# Altium PCB ioPWM.PcbDoc
Units mm, origin at the board's own origin, x right, y up, seen from the top; angles counter-clockwise.
Board outline 89.79 x 85.09 mm, 2 copper layers (Top Layer, Bottom Layer); 107 components, 76 nets, 273 pads, 30 vias.
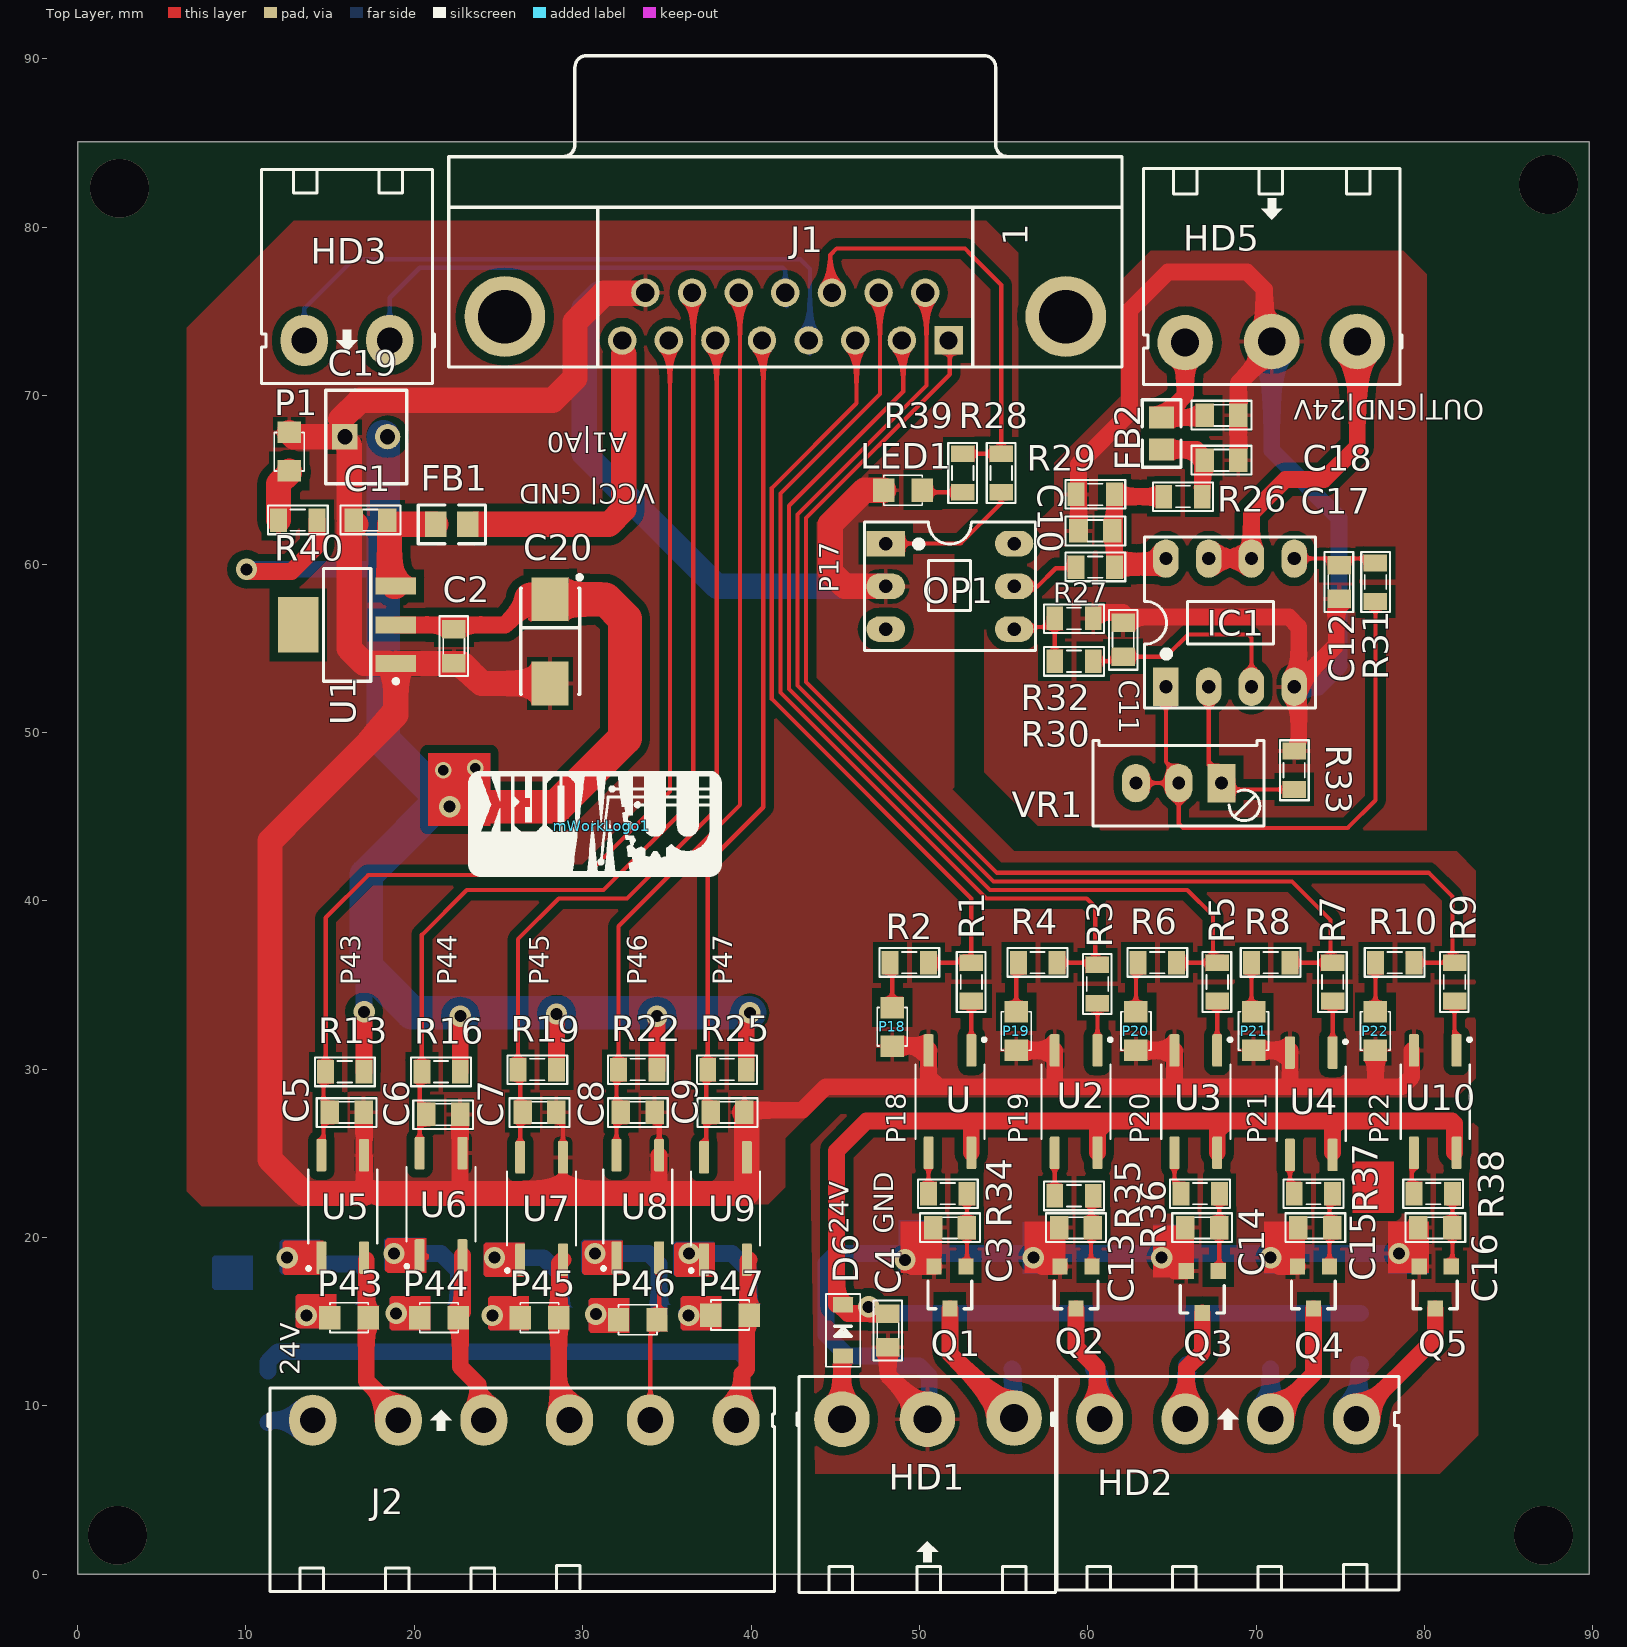
[diagram p0: Top Layer view]
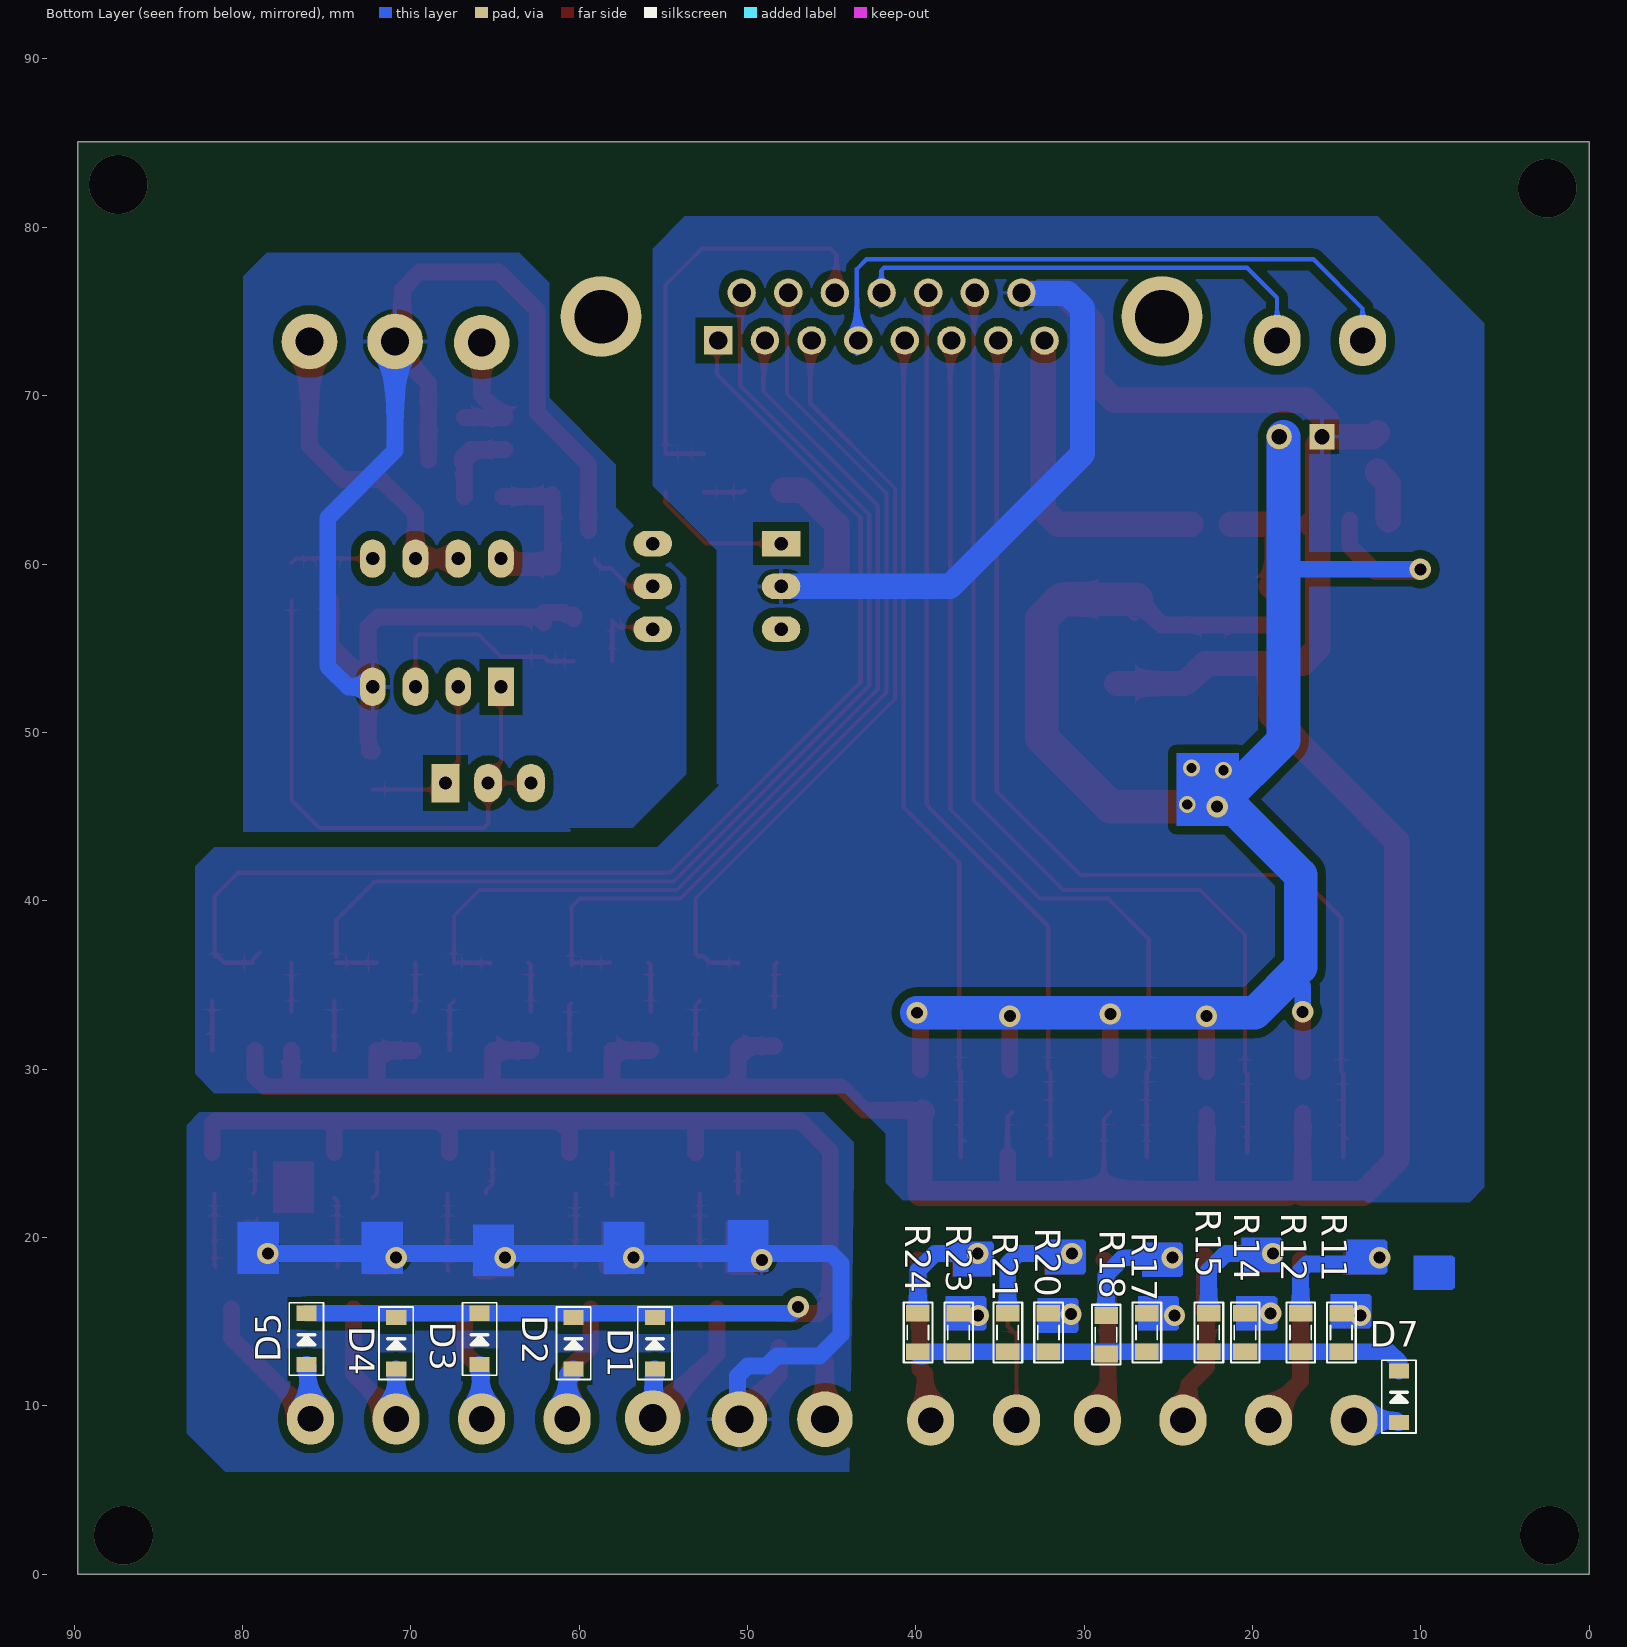
[diagram p1: Bottom Layer view, seen from below]

## Layer stack, top to bottom
Top Solder: solder mask 0.0102, Solder Resist, Dk 3.5
Top Layer: signal copper 0.0356
Dielectric 1: dielectric 0.32, FR-4, Dk 4.8
Bottom Layer: signal copper 0.0356
Bottom Solder: solder mask 0.0102, Solder Resist, Dk 3.5

## Board outline
0,0 89.789,0 89.789,85.09 0,85.09

## Design rules (kind name [scope] priority, off if disabled: settings)
Clearance PolygonCC [InNamedPolygon('GNDOUT_L01_P002') OR  InNamedPolygon('PGND_L01_P001')OR InNamedPolygon('GND_L01_P000') OR InNamedPolygon('GNDOUT_L02_P005') OR InNamedPolygon('PGND_L02_P004') OR InNamedPolygon('GND_L02_P003')] p1: gap=0.5 ignorepadtopadclearanceinfootprint=FALSE
Clearance [All] p2: gap=0.254 ignorepadtopadclearanceinfootprint=FALSE except(0: Arc-Hole Track-Hole SMDPad-Hole THPad-Hole Via-Hole Fill-Hole Poly-Hole Region-Hole Text-Hole)
PolygonConnect [All] p1: connectstyle=Relief reliefconductorwidth=0.254 reliefentries=4 polygonreliefangle="90 Angle" airgapwidth=0.254
RoomDefinition AnalogIN [InComponentClass('AnalogIN')] p1: confinementstyle=ConfineIn formatcopy=TRUE lockcomponents=FALSE outline 90.043,-12.446 103.378,-12.446 103.378,11.049 90.043,11.049
RoomDefinition PWMOUT [InComponentClass('PWMOUT')] p2: confinementstyle=ConfineIn formatcopy=TRUE lockcomponents=FALSE outline 143.637,54.229 233.553,54.229 233.553,67.437 143.637,67.437
RoomDefinition OUT [InComponentClass('OUT')] p3: confinementstyle=ConfineIn formatcopy=TRUE lockcomponents=FALSE outline 143.637,40.64 258.826,40.64 258.826,52.959 143.637,52.959
RoomDefinition IN [InComponentClass('IN')] p4: confinementstyle=ConfineIn formatcopy=TRUE lockcomponents=FALSE outline 143.637,27.051 319.532,27.051 319.532,39.37 143.637,39.37
RoomDefinition analogPWM [InComponentClass('analogPWM')] p5: confinementstyle=ConfineIn formatcopy=TRUE lockcomponents=FALSE outline 143.637,-17.399 218.44,-17.399 218.44,25.781 143.637,25.781
RoutingVias [All] p1: holewidth=0.711 width=1.27 viastyle="Through Hole" minholewidth=0.711 minwidth=1.27 maxholewidth=0.711 maxwidth=1.27
SolderMaskExpansion [All] p1: expansion=0.102 istentingtop=FALSE
Width [All] p1: maxlimit=2 minlimit=0.254 preferedwidth=1
30 further rules are at their usual default settings.

## Classes and differential pairs
component class AnalogIN: C19 HD3
component class PWMOUT: C10 C11 C12 C17 C18 FB2 HD5 IC1 LED1 OP1 R26 R27 R28 R29 R30 R31 R32 R33 R39 VR1
component class OUT: C3 C4 C13 C14 C15 C16 D1 D2 D3 D4 D5 D6 HD1 HD2 P18 P19 P20 P21 P22 Q1 Q2 Q3 Q4 Q5 R1 R2 R3 R4 R5 R6 R7 R8 R9 R10 R34 R35 R36 R37 R38 U U2 U3 U4 U10
component class IN: C5 C6 C7 C8 C9 D7 J2 P43 P44 P45 P46 P47 R11 R12 R13 R14 R15 R16 R17 R18 R19 R20 R21 R22 R23 R24 R25 U5 U6 U7 U8 U9
component class analogPWM: C1 C2 C20 FB1 J1 mWorkLogo1 P1 R40 U1

## Components (designator, comment, footprint, x,y, rotation, side; value= is the part's Value field where it differs from the comment)
C1 "100nF" CN-SMD-0805 17.399,62.611 r180 top value=33pF
C2 "100nF" CN-SMD-0805 22.352,55.118 r270 top value=33pF
C3 "100nF" CN-SMD-0805 51.816,20.574 r180 top value=33pF
C4 "100nF" CN-SMD-0805 48.133,14.478 r270 top value=33pF
C5 "100nF" CN-SMD-0805 15.986,27.432 r0 top value=33pF
C6 "100nF" CN-SMD-0805 21.717,27.305 r0 top value=33pF
C7 "100nF" CN-SMD-0805 27.432,27.432 r0 top value=33pF
C8 "100nF" CN-SMD-0805 33.274,27.432 r0 top value=33pF
C9 "100nF" CN-SMD-0805 38.608,27.432 r0 top value=33pF
C10 "100nF" CN-SMD-0805 60.452,61.976 r0 top value=33pF
C11 "100nF" CN-SMD-0805 62.103,55.499 r90 top value=33pF
C12 "100nF" CN-SMD-0805 74.93,58.928 r270 top value=33pF
C13 "100nF" CN-SMD-0805 59.309,20.574 r180 top value=33pF
C14 "100nF" CN-SMD-0805 66.802,20.574 r180 top value=33pF
C15 "100nF" CN-SMD-0805 73.517,20.574 r180 top value=33pF
C16 "100nF" CN-SMD-0805 80.645,20.574 r180 top value=33pF
C17 "CN" CN-SMD-0805 67.945,66.167 r180 top value=33pF
C18 "CN" CN-SMD-0805 67.945,68.834 r180 top value=33pF
C19 "Header2" HDR2 15.875,67.564 r0 top
C20 "Cap" Cap_C 28.067,55.412 r270 top
D1 "Diode" DIO-SMD-123 55.499,13.716 r270 bottom value=1N5007
D2 "Diode" DIO-SMD-123 60.325,13.716 r270 bottom value=1N5007
D3 "Diode" DIO-SMD-123 65.913,13.97 r270 bottom value=1N5007
D4 "Diode" DIO-SMD-123 70.866,13.716 r270 bottom value=1N5007
D5 "Diode" DIO-SMD-123 76.2,13.97 r270 bottom value=1N5007
D6 "Diode" DIO-SMD-123 45.466,14.478 r270 top value=1N5007
D7 "Diode" DIO-SMD-123 11.303,10.541 r270 bottom value=1N5007
FB1 "FB" Capacitor_805 22.225,62.357 r0 top
FB2 "FB" Capacitor_805 64.389,67.752 r90 top
HD1 "Header 3" HED3T 45.399,9.204 r0 top locked
HD2 "Header 4" HED4T 60.706,9.213 r0 top locked
HD3 "Header 2" HED2T 18.542,73.279 r180 top locked
HD5 "Header 3" HED3T 76.013,73.219 r180 top locked
IC1 "LM358" DIP8/W0.3 64.643,52.705 r0 top
J1 "A32121-ND" DB15 42.037,84.201 r0 top
J2 "Domino6" KF6-5.08T 13.968,9.144 r0 top locked
LED1 "LED" LED-0805-Green 50.165,64.389 r180 top value="LED 3 - 5 ly 2 Colour"
mWorkLogo1 "LogoMwork" LogoMwork15*6 31.115,44.45 r180 top
OP1 "4N35" DIP6 52.07,58.547 r270 top
P1 "LED" LED-0805-Green 12.573,65.532 r90 top value="LED 3 - 5 ly 2 Colour"
P18 "LED" LED-0805-Green 48.387,33.655 r270 top value="LED 3 - 5 ly 2 Colour"
P19 "LED" LED-0805-Green 55.753,33.401 r270 top value="LED 3 - 5 ly 2 Colour"
P20 "LED" LED-0805-Green 62.865,33.401 r270 top value="LED 3 - 5 ly 2 Colour"
P21 "LED" LED-0805-Green 69.85,33.401 r270 top value="LED 3 - 5 ly 2 Colour"
P22 "LED" LED-0805-Green 77.089,33.401 r270 top value="LED 3 - 5 ly 2 Colour"
P43 "LED" LED-0805-Green 14.986,15.24 r0 top value="LED 3 - 5 ly 2 Colour"
P44 "LED" LED-0805-Green 20.32,15.24 r0 top value="LED 3 - 5 ly 2 Colour"
P45 "LED" LED-0805-Green 26.289,15.24 r0 top value="LED 3 - 5 ly 2 Colour"
P46 "LED" LED-0805-Green 32.131,15.113 r0 top value="LED 3 - 5 ly 2 Colour"
P47 "LED" LED-0805-Green 37.617,15.392 r0 top value="LED 3 - 5 ly 2 Colour"
Q1 "2SC1815" SOT23-321 51.816,17.018 r180 top value=C1815
Q2 "2SC1815" SOT23-321 59.309,17.018 r180 top value=C1815
Q3 "2SC1815" SOT23-321 66.802,16.764 r180 top value=C1815
Q4 "2SC1815" SOT23-321 73.406,17.018 r180 top value=C1815
Q5 "2SC1815" SOT23-321 80.645,17.018 r180 top value=C1815
R1 "330R" RES-SMD-0805 53.086,35.179 r270 top
R2 "3K2" RES-SMD-0805 49.403,36.322 r180 top
R3 "330R" RES-SMD-0805 60.579,35.052 r270 top
R4 "3K2" RES-SMD-0805 57.023,36.322 r180 top
R5 "330R" RES-SMD-0805 67.691,35.179 r270 top
R6 "3K2" RES-SMD-0805 64.135,36.322 r180 top
R7 "330R" RES-SMD-0805 74.549,35.179 r270 top
R8 "3K2" RES-SMD-0805 70.866,36.322 r180 top
R9 "330R" RES-SMD-0805 81.788,35.179 r270 top
R10 "3K2" RES-SMD-0805 78.232,36.322 r180 top
R11 "3K2" RES-SMD-0805 14.732,14.351 r90 bottom
R12 "3K2" RES-SMD-0805 17.145,14.351 r90 bottom
R13 "3K2" RES-SMD-0805 15.875,29.845 r0 top
R14 "3K2" RES-SMD-0805 20.447,14.351 r90 bottom
R15 "3K2" RES-SMD-0805 22.606,14.351 r90 bottom
R16 "3K2" RES-SMD-0805 21.59,29.845 r0 top
R17 "3K2" RES-SMD-0805 26.289,14.351 r90 bottom
R18 "330R" RES-SMD-0805 28.702,14.224 r90 bottom
R19 "3K2" RES-SMD-0805 27.305,29.972 r0 top
R20 "3K2" RES-SMD-0805 32.131,14.351 r90 bottom
R21 "3K2" RES-SMD-0805 34.544,14.351 r90 bottom
R22 "3K2" RES-SMD-0805 33.274,29.972 r0 top
R23 "3K2" RES-SMD-0805 37.465,14.351 r90 bottom
R24 "3K2" RES-SMD-0805 39.878,14.351 r90 bottom
R25 "3K2" RES-SMD-0805 38.57,29.972 r0 top
R26 "100K" RES-SMD-0805 65.659,64.008 r0 top
R27 "10K" RES-SMD-0805 60.452,59.817 r180 top
R28 "10K" RES-SMD-0805 54.864,65.405 r270 top
R29 "100K" RES-SMD-0805 60.452,64.135 r180 top
R30 "10K" RES-SMD-0805 59.182,54.229 r0 top
R31 "10K" RES-SMD-0805 77.089,58.928 r90 top
R32 "10K" RES-SMD-0805 59.182,56.769 r0 top
R33 "6K8" RES-SMD-0805 72.263,47.752 r90 top
R34 "3K2" RES-SMD-0805 51.689,22.606 r0 top
R35 "3K2" RES-SMD-0805 59.182,22.479 r0 top
R36 "3K2" RES-SMD-0805 66.675,22.606 r0 top
R37 "3K2" RES-SMD-0805 73.406,22.606 r0 top
R38 "3K2" RES-SMD-0805 80.518,22.606 r0 top
R39 "3K2" RES-SMD-0805 52.578,65.405 r270 top
R40 "3K2" RES-SMD-0805 13.081,62.611 r180 top
U "EL357N*" SOP4N 51.816,28.067 r270 top
U1 "LM1117-3.3V" SOT223 16.002,56.388 r90 top
U2 "EL357N*" SOP4N 59.309,28.067 r270 top
U3 "EL357N*" SOP4N 66.421,28.067 r270 top
U4 "EL357N*" SOP4N 73.279,27.94 r270 top
U5 "EL357N*" SOP4N 15.748,21.844 r90 top
U6 "EL357N*" SOP4N 21.59,21.971 r90 top
U7 "EL357N*" SOP4N 27.559,21.717 r90 top
U8 "EL357N*" SOP4N 33.274,21.844 r90 top
U9 "EL357N*" SOP4N 38.481,21.717 r90 top
U10 "EL357N*" SOP4N 80.645,28.067 r270 top
VR1 "10K" VR1 67.945,46.99 r180 top value="VR 10K"

## Footprints (in the part's own frame and the unit in brackets; to place one, negate y for a bottom-side part, rotate by r counter-clockwise, add the part's x,y. Pads: shape width x height; smd on the part's side, far side on the other; paste and mask are expansions set on the pad)
Cap_C [mm] "Capacitor, SM Tantalum; Body 6.0 x 3.2 mm (LxW typ)"
  rect 2.6x2.2 smd: 1(-2.5,0) 2(2.5,0)
  silkscreen extent -3.92,-1.75 3.15,1.88, body extent -3,-1.6 3,1.6, height 2.5
Capacitor_805 [mm]
  rect 1.3x1.5 smd: 1(0.95,0) 2(-0.95,0)
  silkscreen extent -2,-1.15 2,1.15, body extent -1,-0.63 1,0.62, height 0.78
CN-SMD-0805 [mm]
  rect 1.1x1.397 smd: 1(-1,0) 2(1,0)
  silkscreen extent -1.78,-0.86 1.78,0.84, body extent -1,-0.62 1,0.63, height 0.8
DB15 [mm] "Connector; D Subminiature AMPLIMITE 2000; 15 Position; Right Angle"
  rect 1.69x1.69 hole 1.09: 1(9.695,-10.92)
  round 1.69 hole 1.09: 2(6.925,-10.92) 3(4.155,-10.92) 4(1.385,-10.92) 5(-1.385,-10.92) 6(-4.155,-10.92) 7(-6.925,-10.92) 8(-9.683,-10.925) 9(8.31,-8.08) 10(5.54,-8.08) 11(2.77,-8.08) 12(0,-8.08) 13(-2.77,-8.08) 14(-5.54,-8.08) 15(-8.31,-8.08)
  round 4.8 hole 3.18: 16(16.66,-9.5) 17(-16.66,-9.5)
  silkscreen extent -20,-12.5 20,6, body extent -19.56,-12.7 20.06,6.1, height 12.56
DIO-SMD-123 [mm]
  rect 0.9x1.2 smd: 1(1.524,0) 2(-1.524,0)
  silkscreen extent -2.16,-1.02 2.16,1.02, body extent -1.76,-0.8 1.94,0.8, height 1.25
DIP6 [mil]
  rect 60x90 hole 31.5: 1(-105,-160)
  oval 60x90 hole 31.5: 2(-5,-160) 3(95,-160) 4(95,140) 5(-5,140) 6(-105,140)
  silkscreen extent -155,-210 145,190, body extent -163,-167 155,147, height 170
DIP8/W0.3 [mil] "8 PIN, W 300mil, Pin to pin 100mil"
  rect 60x90 hole 31: 1(0,0)
  oval 60x90 hole 31: 2(100,0) 3(200,0) 4(300,0) 5(300,300) 6(200,300) 7(100,300) 8(0,300)
  silkscreen extent -50,-50 350,350, body extent -50,-40 350,336, height 201
HDR2 [mm] "Connector; Header; 2 Position"
  rect 1.5x1.5 hole 0.9: 1(0,0)
  round 1.5 hole 0.9: 2(2.54,0)
  silkscreen extent -1.14,-2.79 3.68,2.77, body extent -1.27,-2.92 3.81,2.88, height 11.72
HED2T [mil] "Header 2, 2 pin, hight 300mil, Pin to Pin 200, Colour Green"
  oval 110x120 hole 60: 1(0,0) 2(200,0)
  silkscreen extent -105,-400 300,100, body extent -97,-399 297,73, height 334
HED3T [mil] "Header 3, 3 pin, hight 300mil, Pin to Pin 200, Colour Green"
  round 130 hole 65: 1(0,0) 2(200,0) 3(402.62,2.62)
  silkscreen extent -105,-405 500,100, body extent -95,-404 496,68, height 124
HED4T [mil] "Header 4, 4 pin, hight 300mil, Pin to Pin 200, Colour Green"
  oval 110x120 hole 60: 1(0,0) 2(200,0) 3(400.06,0.06) 4(600.39,0.39)
  silkscreen extent -105,-400 700,100, body extent -87,-406 690,66, height 334
KF6-5.08T [mil]
  oval 110x120 hole 60: 1(0,0) 2(200,0) 3(400.06,0.06) 4(600.39,0.39) 5(789.39,0.39) 6(990,0)
  silkscreen extent -105,-400 1080,75, body extent -95,-402 1077,76, height 158
LED-0805-Green [mil]
  rect 50x55 smd: 1(0,0) 2(90,0)
  silkscreen extent 0,-35 90,35, body extent 5,-25 85,25, height 43
LogoMwork15*6 [mm] "15mm*6mm"
  silkscreen extent -7.14,-3.26 7.9,2.99
RES-SMD-0805 [mil]
  rect 39.37x55 smd: 1(-45,0) 2(45,0)
  silkscreen extent -70,-34 70,33, body extent -39,-25 39,25, height 31
SOP4N [mm]
  rrect25% 1.93x0.59 smd: 1(-3.04,1.27) 2(-3.04,-1.27) 3(3.04,-1.27) 4(3.04,1.27)
  silkscreen extent -3.78,-2.05 2.2,2.13, body extent -3.4,-2.15 3.4,2.15, height 2.1
SOT23-321 [mm]
  rect 0.9x0.95 smd mask+0: 1(0.95,-1.25)
  rect 0.9x0.95 smd: 2(0,1.25) 3(-0.95,-1.25)
  silkscreen extent -1.3,-0.38 1.3,1.25, body extent -1.52,-1.23 1.48,1.27, height 1.06
SOT223 [mm]
  rect 1x2.4 smd: 1(-2.3,-2.9) 2(0,-2.9) 3(2.3,-2.9)
  rect 3.3x2.4 smd: 4(0,2.9)
  silkscreen extent -3.47,-3.03 3.35,1.4, body extent -3.25,-3.56 3.25,3.4, height 1.68
VR1 [mil] "Variable Resistor"
  rect 65x90 hole 30: 1(0,0)
  oval 65x90 hole 30: 2(100,0) 3(200,0)
  silkscreen extent -100,-100 301,100, body extent -88,-130 288,110, height 455

## Part data
C1 C2 C3 C4 C5 C6 C7 C8 C9 C10 C11 C12 C13 C14 C15 C16: library part CN
C19: "Header IDC, 2 x 1 Pin Vertical 2.54mm Pitch (Non-Boxed, Male)", Manufacturer="W¨¹rth Elektronik eiSos GmbH", PartNo=613002143121, ComponentLink1 Description=Manufacturer, ComponentLink1URL=http://www.we-online.com, ComponentLink2 Description=Datasheet, ComponentLink2URL=http://katalog.we-online.de/em/datasheet/6130xx143121.pdf, Created By="Karrer Zheng", Created Date="29 March 2013", NoPins=02
C20: library part Cap_tan, "Polarized Capacitor (Radial)"
D1 D2 D3 D4 D5 D6 D7: "Default Diode", Code - JEDEC=DO-214-AB, ComponentLink1Description="ES1J - STMBL", ComponentLink1URL=https://banlinhkien.vn/goods-8089-es1j-do214-diode-1a-600v-sma-es1j-.html, Published=8-Jun-2000, Publisher="Altium Limited", Revision="July-2002: Re-released for DXP Platform."
HD1 HD5: library part Hed3, "Header 3 (Green)"
HD2: library part Hed4, "Header 4 (Green)"
HD3: library part Hed2, "Header 2 (Green)"
IC1: "Low-Power Dual Operational Amplifier"
J1: library part DB15, "Receptacle Assembly, 15 Position, Right Angle", PackageDocument=O, DatasheetDocument=1-Sep-99, Gender=Receptacle, LatestRevisionDate=17-Jul-2002, LatestRevisionNote="Re-released for DXP Platform.", Orientation="Right Angle", PackageReference=788757, Positions=15, Published=15-Jun-2001, Publisher="Altium Limited"
J2: Manufacturer="W¨¹rth Elektronik eiSos GmbH", PartNo=691133710006, ComponentLink1 Description=Manufacturer, ComponentLink1 URL=http://www.we-online.com, ComponentLink2 Description=Datasheet, ComponentLink2 URL=http://katalog.we-online.de/em/datasheet/6911337100xx.pdf, Created By="Baojun Chen", Created Date=4-Aug-15, NoPins=6
LED1 P1 P18 P19 P20 P21 P22 P43 P44 P45 P46 P47: library part "LED SMD"
OP1: "Opto"
Q1 Q2 Q3 Q4 Q5: "NPN 600mW, ECB"
R1 R2 R3 R4 R5 R6 R7 R8 R9 R10 R11 R12 R13 R14 R15 R16 R17 R18 R19 R20 R21 R22 R23 R24 R25 R26 R27 R28 R29 R30 R31 R32 R33 R34 R35 R36 R37 R38 R39 R40: library part R
U U2 U3 U4 U5 U6 U7 U8 U9 U10: library part EL357N(A)(TA)-G, "Optoisolator Transistor Output 3750Vrms 1 Channel 4-SOP _2.54mm_", Package="SOP-4 Everlight", Availability=Unavailable, MF="Everlight Electronics", MP=EL357N_A__TA_-G, Price=None, SnapEDA_Link=https://www.snapeda.com/parts/EL357N%28A%29%28TA%29-G/Everlight%20Electronics%20Co%20Ltd/view-part/579256/?ref=snap
U1: library part LM1117, "800mA Low-Dropout Linear Regulator", Creator="Nguyen Ba Bien", Website=http://group3i.net
VR1: library part VR1, "Var Resistor"

## Via types
v1: diameter 1.27, hole 0.711, Top Layer to Bottom Layer, 23 vias
v2: diameter 3.5, hole 3.5, Top Layer to Bottom Layer, 4 vias
v3: diameter 1, hole 0.6, Top Layer to Bottom Layer, 3 vias

## Nets (pads, with @x,y where several pads share a name; then routed paths per layer and width w, separated by ;. In a path a pad name is that pad's centre, name@x,y a point inside that pad or via, vN(x,y) a via of type N, cw(c..) or ccw(c..) an arc to the next point about the centre after c; other vN are vias at no path point)
24V: C17.2 FB2.2 R26.2 | length 5.1
  Top Layer w1: FB2.2 66.458,66.802 66.945,66.315 C17.2 66.945,66.018 66.802,65.875 R26.2
24VCOM: D7.2 R11.1 R12.1 R14.1 R15.1 R17.1 R18.1 R20.1 R21.1 R23.1 R24.1 | length 29.4
  Bottom Layer w1: D7.2 11.303,12.622 11.889,13.208 R11.1 R12.1 R14.1 R15.1 39.298,13.208 39.553,12.954 R24.1@39.751,12.954
+5: FB1.1 J1.8 | length 18.4
  Top Layer w1.5: FB1.1@23.628,62.357 31.554,62.357 32.433,63.236 J1.8@32.433,72.466
+12: C10.2 IC1.8 R26.1 R27.1 R29.1 | length 13.7
  Top Layer w0.254: R27.1@61.595,60.325 IC1.8
  Top Layer w1: R29.1 R29.1@61.595,64.008 ; R26.1 R29.1@61.595,64.008 ; IC1.8 64.643,60.086 64.374,59.817 R27.1 61.595,60.325 R29.1@61.595,64.008
DAC1: HD5.1 IC1.6 IC1.7 | length 19.4
  Top Layer w1: IC1.7 IC1.6 69.723,62.992 71.755,65.024 74.041,65.024 76.013,66.996 HD5.1
GND: C1.2 C2.2 C5.2 C6.2 C7.2 C8.2 C9.2 C19.1 C20.2 J1.15 LED1.2 OP1.2 P1.2 P18.2 P19.2 P20.2 P21.2 P22.2 U1.1 U2.2 U3.2 U4.2 U5.3 U6.3 U7.3 U8.3 U9.3 U10.2 U.2 | length 257.5
  Top Layer w0.254: 13.208,45.339 13.208,45.593 18.902,51.287 ; 14.754,67.669 14.964,67.669 C19.1@15.367,68.072 ; C5.2 17.018,27.4 17.145,27.273 17.145,23.368 17.907,22.606 ; C7.2 28.829,27.035 U7.3 28.829,22.606 ; C8.2 34.544,27.162 U8.3
  Top Layer w1: 17.018,22.606 U5.3 C5.2@17.018,27.4 ; C6.2 22.717,22.749 22.86,22.606 ; U8.3 34.544,22.733 34.671,22.606 ; C9.2 39.608,27.509 39.658,27.559 43.053,27.559 44.45,28.956 51.135,28.956 ; P18.2 48.395,31.377 50.341,31.377 50.546,31.172 U.2 50.549,31.104 50.549,29.542 51.135,28.956 ; P19.2 58.031,31.115 58.042,31.104 58.042,28.964 ; P20.2 65.143,31.115 65.154,31.104 65.154,28.964 ; P21.2 72.001,31.115 72.012,31.104 72.012,29.091 ; P22.2 77.092,31.112 77.092,29.155 ; U10.2@79.248,31.107 79.248,29.542 78.662,28.956 51.135,28.956
  Top Layer w1.5: P1.2 12.827,67.564 C19.1@15.621,67.564 ; 15.621,68.58 16.764,69.723 28.218,69.723 29.539,71.045 29.539,74.37 31.254,76.085 33.691,76.085 J1.15 ; C19.1 C19.1@15.621,67.564 ; C1.2@16.129,62.357 16.129,54.981 17.008,54.102 U1.1@18.452,54.102 ; C1.2@16.526,62.357 16.129,62.754 16.129,67.056 C19.1@15.621,67.564 ; 17.018,22.606 13.452,22.606 11.43,24.628 11.43,43.561 13.208,45.339 18.902,51.033 18.902,51.287 U1.1 22.822,54.088 23.998,52.912 C20.2 ; 17.907,22.606 22.86,22.606 28.829,22.606 34.671,22.606 39.751,22.606 U9.3 39.751,27.289 C9.2 ; LED1.2 46.736,64.389 44.704,62.357 44.704,59.553 45.583,58.674 OP1.2
  Bottom Layer w1.5: J1.15@33.657,76.073 33.645,76.085 33.556,76.085 33.545,76.073 30.978,76.073 30.099,75.194 30.099,66.548 37.973,58.674 OP1.2
GNDOUT: C3.2 C4.2 C13.2 C14.2 C15.2 C16.2 HD1.2 Q1.1 Q2.1 Q3.1 Q4.1 Q5.1 | length 73.9
  Top Layer w0.254: Q1.1@50.816,18.318 Q1.1 ; C13.2@58.309,20.32 58.309,18.318 Q2.1 ; C14.2@65.802,20.447 65.802,18.064 Q3.1 ; Q4.1 72.517,18.329 C15.2@72.517,19.939 ; C16.2 79.645,18.318 Q5.1
  Top Layer w1: C4.2 48.133,11.811 50.479,9.465 HD1.2 ; v1(49.149,18.669) 49.55,18.268 Q1.1 ; Q1.1@50.816,18.318 C3.2 ; v1(56.769,18.796) 57.297,18.268 Q2.1 ; v1(64.389,18.796) 65.171,18.014 Q3.1 ; v1(70.866,18.796) 71.394,18.268 Q4.1 ; v1(78.486,19.05) 78.538,19.102 78.538,19.467 79.446,20.375 79.595,20.375 79.645,20.425 C16.2
  Bottom Layer w1: v1(49.149,18.669) v1@49.149,18.796 ; HD1.2 50.582,9.307 50.582,11.77 49.997,12.355 48.859,12.355 48.26,12.954 45.72,12.954 44.45,14.224 44.45,18.464 45.036,19.05 v1@56.642,19.05 ; v1@56.642,18.796 v1(56.769,18.796) ; v1@56.769,19.05 v1(78.486,19.05)
IN1: J2.2 P43.2 U5.2 | length 10.3
  Top Layer w1: U5.2@17.145,18.677 17.145,14.605 17.145,11.465 19.048,9.561 J2.2
IN2: J2.3 P44.2 U6.2 | length 10.5
  Top Layer w1: U6.2 22.86,15.557 22.606,15.303 P44.2 22.733,15.113 22.733,12.319 23.787,11.265 23.787,9.489 J2.3
IN3: J2.4 P45.2 U7.2 | length 9.9
  Top Layer w1: U7.2 28.624,18.472 28.624,16.852 28.575,16.803 P45.2 28.575,14.605 28.575,10.41 29.218,9.766 J2.4
IN4: J2.5 P46.2 U8.2 | length 9.9
  Top Layer w0.254: J2.5 34.019,14.207 34.417,14.605 34.544,14.732 U8.2
IN5: J2.6 P47.2 U9.2 | length 9.8
  Top Layer w1: J2.6 39.458,9.487 39.458,11.899 39.751,12.192 39.751,14.605 39.814,14.668 39.814,18.614 U9.2@39.878,18.677
NetC1_1: C1.1 FB1.2 U1.3 | length 6.6
  Top Layer w1.5: U1.3 18.776,58.688 18.526,58.938 18.526,62.357 FB1.2
NetC3_1: C3.1 Q1.3 R34.2 | length 4.4
  Top Layer w0.254: Q1.3 52.832,18.334 R34.2
NetC11_1: C11.1 IC1.3 R30.2 | length 13
  Top Layer w0.254: R30.2 61.833,54.229 C11.1 64.659,54.499 65.969,55.809 69.541,55.809 69.723,55.626 IC1.3
NetC12_1: C12.1 IC1.5 R31.2 | length 4.9
  Top Layer w0.254: IC1.5 76.835,60.325 R31.2
NetC13_1: C13.1 Q2.3 R35.2 | length 4.4
  Top Layer w0.254: R35.2@60.198,22.606 60.198,20.447 60.198,18.329 Q2.3
NetC14_1: C14.1 Q3.3 R36.2 | length 4.6
  Top Layer w0.254: Q3.3 67.818,18.08 R36.2
NetC15_1: C15.1 Q4.3 R37.2 | length 4.2
  Top Layer w0.254: Q4.3 74.356,22.159 R37.2@74.549,22.352
NetC16_1: C16.1 Q5.3 R38.2 | length 4.4
  Top Layer w0.254: Q5.3 81.661,18.334 R38.2
NetC18_2: C18.2 FB2.1 HD5.3 | length 7.9
  Top Layer w0.254: C18.2@66.813,68.702 C18.2
  Top Layer w1: FB2.1 FB2.1@64.489,68.702 ; HD5.3 65.405,72.771 65.786,72.39 65.786,69.999 FB2.1@64.489,68.702 ; C18.2@66.813,68.702 FB2.1@64.489,68.702
NetD6_1: D6.1 HD1.1 | length 3.9
  Top Layer w0.254: D6.1 D6.1@45.78,12.64
  Top Layer w1: HD1.1 D6.1@45.399,12.64
NetD7_1: D7.1 J2.1 | length 2.7
  Bottom Layer w1: D7.1 11.353,9.017 11.48,9.144 J2.1
NetIC1_1: IC1.1 R31.1 VR1.2 VR1.3 | length 35.3
  Top Layer w0.254: VR1.3 VR1.2 ; IC1.1 64.643,48.252 65.405,47.49 VR1.2 ; R31.1 77.089,45.974 75.438,44.323 65.659,44.323 65.405,44.577 VR1.2
NetIC1_2: IC1.2 R33.1 VR1.1 | length 10.5
  Top Layer w0.254: IC1.2 67.183,48.069 67.945,47.307 VR1.1 68.326,46.609 R33.1
NetLED1_1: LED1.1 R39.2 | length 2.5
  Top Layer w0.254: LED1.1 50.292,64.262 R39.2
NetOP1_1: OP1.1 R28.2 | length 8.5
  Top Layer w0.254: OP1.1 52.451,61.214 54.864,63.627 R28.2
NetOP1_4: OP1.4 R30.1 R32.1 | length 5
  Top Layer w0.254: OP1.4 55.753,56.261 57.666,56.261 58.039,56.634 R30.1
NetOP1_5: OP1.5 R27.2 | length 4.2
  Top Layer w0.254: OP1.5 57.023,58.674 58.102,59.753 58.682,59.753 59.055,60.127 R27.2@59.055,60.325
NetP1_1: P1.1 R40.2 | length 3.2
  Top Layer w1.5: R40.2 11.938,64.77 12.573,65.405 P1.1
NetP18_1: P18.1 R2.2 | length 2.7
  Top Layer w0.254: R2.2 48.387,36.195 P18.1
NetP19_1: P19.1 R4.2 | length 3
  Top Layer w0.254: P19.1 55.753,36.195 R4.2
NetP20_1: P20.1 R6.2 | length 3
  Top Layer w0.254: P20.1 62.865,36.195 R6.2
NetP21_1: P21.1 R8.2 | length 3
  Top Layer w0.254: R8.2 69.723,33.528 P21.1
NetP22_1: P22.1 R10.2 | length 2.9
  Top Layer w0.254: P22.1 R10.2
NetP43_1: P43.1 R11.2 | length 3.1
  Top Layer w0.254: v1(13.589,15.367) 14.351,15.367 14.605,15.621 P43.1
  Bottom Layer w0.254: v1@13.298,15.367 14.605,15.367 R11.2
NetP44_1: P44.1 R14.2 | length 2.7
  Top Layer w0.254: v1@18.923,15.367 19.05,15.24 P44.1
  Bottom Layer w0.254: v1@19.177,15.494 R14.2
  other v1: 18.923,15.494
NetP45_1: P45.1 R17.2 | length 3.6
  Top Layer w0.254: v1@24.638,15.24 25.781,15.24 P45.1@26.289,15.748
  Bottom Layer w0.254: v1@24.638,15.24 26.035,15.24 R17.2
  other v1: 24.638,15.367
NetP46_1: P46.1 R20.2 | length 3
  Top Layer w1: v1@30.734,15.24 30.786,15.188 32.056,15.188 P46.1
  Bottom Layer w1: v1(30.786,15.442) 30.786,15.292 31.73,15.292 31.933,15.494 R20.2
NetP47_1: P47.1 R23.2 | length 2.7
  Top Layer w1: v1@36.322,15.24 36.374,15.292 37.517,15.292 P47.1
  Bottom Layer w1: v1@36.17,15.494 R23.2
  other v1: 36.297,15.367
NetR1_2: R1.2 U.1 | length 3
  Top Layer w0.254: R1.2@52.832,34.036 53.086,33.782 U.1
NetR3_2: R3.2 U2.1 | length 2.9
  Top Layer w0.254: R3.2@60.452,33.909 60.579,33.782 U2.1
NetR5_2: R5.2 U3.1 | length 3
  Top Layer w0.254: R5.2@67.437,34.036 67.691,33.782 U3.1
NetR7_2: R7.2 U4.1 | length 2.9
  Top Layer w0.254: U4.1@74.549,31.107 R7.2
NetR9_2: R9.2 U10.1 | length 2.9
  Top Layer w0.254: U10.1@81.788,31.107 R9.2
NetR12_2: R12.2 U5.1 | length 9.7
  Top Layer w0.254: v1(12.446,18.796) 14.47,18.796 U5.1
  Bottom Layer w0.254: v1(12.446,18.796) 13.335,18.796 ; R12.2@17.145,15.367 R12.2
  Bottom Layer w1: 13.335,18.796 13.716,18.415 16.764,18.415 17.145,18.034 R12.2
NetR15_2: R15.2 U6.1 | length 9.3
  Top Layer w0.254: v1@18.796,18.923 20.742,18.923 20.742,18.796 20.455,18.796 U6.1
  Bottom Layer w1: v1(18.796,19.05) 21.59,19.05 22.606,18.034 R15.2
NetR18_2: R18.2 U7.1 | length 8.5
  Top Layer w0.254: v1(24.765,18.796) 25.9,18.796 26.154,18.542 U7.1
  Bottom Layer w1: v1(24.765,18.796) 27.686,18.796 28.702,17.78 R18.2
NetR21_2: R21.2 U8.1 | length 8.3
  Top Layer w0.254: v1@30.734,18.923 31.885,18.923 U8.1
  Bottom Layer w1: v1(30.734,19.05) 33.909,19.05 34.544,18.415 R21.2
NetR24_2: R24.2 U9.1 | length 8.4
  Top Layer w0.254: v1@36.195,18.796 37.633,18.796 ; U9.1 37.213,18.675 37.633,18.675
  Bottom Layer w1: v1(36.322,19.05) 38.862,19.05 39.878,18.034 R24.2
NetR34_1: R34.1 U.3 | length 2.4
  Top Layer w0.254: R34.1 U.3
NetR35_1: R35.1 U2.3 | length 2.5
  Top Layer w0.254: R35.1 U2.3
NetR36_1: R36.1 U3.3 | length 2.6
  Top Layer w0.254: U3.3 65.151,23.185 65.532,22.804 R36.1
NetR37_1: R37.1 U4.3 | length 2.8
  Top Layer w0.254: U4.3@72.009,25.027 72.009,22.606 R37.1@72.263,22.352
NetR38_1: R38.1 U10.3 | length 2.5
  Top Layer w0.254: U10.3@79.248,25.027 79.248,22.733 R38.1
OUT1: D1.1 HD1.3 Q1.2 | length 11.1
  Top Layer w1: Q1.2 51.816,13.081 HD1.3
  Bottom Layer w1: D1.1 55.513,12.192 55.562,12.142 55.562,9.335 HD1.3
OUT2: D2.1 HD2.1 Q2.2 | length 10.3
  Top Layer w1: Q2.2 59.309,13.495 60.567,12.237 60.567,9.352 HD2.1
  Bottom Layer w1: D2.1 60.375,12.192 60.706,11.861 HD2.1
OUT3: D3.1 HD2.2 Q3.2 | length 10
  Top Layer w1: HD2.2 65.861,9.288 65.861,12.237 66.802,13.178 Q3.2
  Bottom Layer w1: HD2.2 65.849,9.277 65.849,12.396 65.899,12.446 D3.1
OUT4: D4.1 HD2.3 Q4.2 | length 10.6
  Top Layer w1: HD2.3 70.868,9.342 73.406,11.88 Q4.2
  Bottom Layer w1: HD2.3@70.867,9.215 D4.1
OUT5: D5.1 HD2.4 Q5.2 | length 11.8
  Top Layer w1: HD2.4 75.956,9.35 80.645,14.039 Q5.2
  Bottom Layer w1: HD2.4 76.1,9.367 76.1,12.396 76.15,12.446 D5.1
P17/PWM1: J1.11 R28.1 R39.1 | length 25.9
  Top Layer w0.254: J1.11 44.831,76.145 44.577,76.399 44.704,76.526 44.704,78.359 45.085,78.74 52.705,78.74 53.086,78.359 54.864,76.581 R28.1 R39.1
P18/PWM2: J1.3 R1.1 R2.1 | length 45.4
  Top Layer w0.254: J1.3@46.271,72.471 46.271,69.556 41.239,64.524 41.239,51.979 53.086,40.132 53.086,36.852 52.937,36.703 52.634,36.703 52.252,36.322 R2.1
P19/PWM3: J1.10 R3.1 R4.1 | length 55
  Top Layer w0.254: J1.10@47.656,75.311 47.656,70.104 41.747,64.195 41.747,52.364 53.979,40.132 59.944,40.132 60.452,39.624 60.452,36.322 R3.1@60.452,36.195 ; R4.1 R3.1@60.325,36.322
P20/PWM4: J1.2 R5.1 R6.1 | length 58.4
  Top Layer w0.254: J1.2@49.041,72.471 49.041,70.246 42.255,63.46 42.255,52.574 54.189,40.64 65.913,40.64 67.437,39.116 67.437,36.322 R6.1
P21/PWM5: J1.9 R7.1 R8.1 | length 67.7
  Top Layer w0.254: J1.9@50.426,75.311 50.426,70.612 42.763,62.949 42.763,52.785 54.4,41.148 72.136,41.148 74.422,38.862 R7.1@74.422,36.703 ; R8.1 R7.1@74.422,36.322
P22/PWM6: J1.1 R9.1 R10.1 | length 73.4
  Top Layer w0.254: J1.1@51.811,72.471 51.811,71.279 43.271,62.739 43.271,52.995 54.61,41.656 73.5,41.656 80.264,41.656 81.661,40.259 81.661,36.703 81.463,36.703 81.081,36.322 R10.1 79.375,36.52 R10.1@79.002,36.893
P41/A0: HD3.2 J1.4 | length 38.5
  Bottom Layer w0.254: HD3.2 13.462,75.184 16.383,78.105 42.926,78.105 43.501,77.53 J1.4@43.501,72.471
P42/A1: HD3.1 J1.12 | length 29
  Bottom Layer w0.254: HD3.1 18.542,75.819 20.32,77.597 41.888,77.597 42.037,77.448 42.037,75.39 J1.12@42.116,75.311
P43/A2: C9.1 J1.5 R25.1 U9.4 | length 50
  Top Layer w0.254: U9.4@37.338,24.757 37.338,29.883 R25.1 37.427,42.253 40.731,45.557 40.731,73.202 J1.5
P44/A3: C8.1 J1.13 R22.1 U8.4 | length 54.3
  Top Layer w0.254: U8.4 32.004,29.845 R22.1 32.131,38.481 39.346,45.696 39.346,76.042 J1.13
P45/A4: C7.1 J1.6 R19.1 U7.4 | length 55
  Top Layer w0.254: U7.4 26.289,29.845 R19.1 26.162,37.719 28.575,40.132 32.639,40.132 37.961,45.454 J1.6@37.961,72.471
P46/A5: C6.1 J1.14 R16.1 U6.4 | length 61.8
  Top Layer w0.254: U6.4 20.32,29.718 R16.1 20.447,37.973 23.114,40.64 31.242,40.64 36.576,45.974 J1.14@36.576,75.311
P47/A6: C5.1 J1.7 R13.1 U5.4 | length 63.8
  Top Layer w0.254: U5.4@14.605,24.757 14.605,29.718 R13.1 14.732,38.989 17.272,41.529 30.226,41.529 35.191,46.494 J1.7@35.191,72.471
PGND: C10.1 C11.2 C12.2 C17.1 C18.1 HD5.2 IC1.4 R29.2 R32.2 R33.2 | length 86
  Top Layer w1: C10.1 59.452,65.929 62.484,68.961 62.484,75.057 64.77,77.343 69.469,77.343 70.492,76.32 70.492,74.282 71.468,73.306 71.501,73.306 68.945,70.75 C18.1 C17.1 ; R32.2 60.325,56.967 60.749,56.967 60.911,57.129 62.103,57.129 C11.2 ; C11.2@62.463,56.859 71.947,56.859 72.533,56.273 IC1.4@72.533,53.498 ; R33.2 72.461,48.895 72.461,49.409 72.533,49.481 72.533,51.912 72.263,52.182 72.263,52.944 72.505,53.186 72.744,53.186 74.761,55.203 74.761,57.878 74.811,57.928 C12.2
  Bottom Layer w1: HD5.2 70.993,73.158 70.933,73.098 70.933,66.735 74.93,62.738 74.93,53.926 73.709,52.705 IC1.4
VCC: C2.1 C19.2 C20.1 R13.2 R16.2 R19.2 R22.2 R25.2 R40.1 U1.2 | length 128.8
  Top Layer w0.254: 26.894,56.739 27.094,56.739 28.067,57.712 C20.1
  Top Layer w1: v1(10.033,59.69) 10.16,59.563 12.707,59.563 14.224,61.08 R40.1 ; R13.2 v1(17.018,33.401) ; U1.2 25.4,56.388 26.924,57.912 ; R16.2 v1(22.733,33.147) ; R19.2 v1(28.448,33.274) ; R22.2 v1(34.417,33.147) ; R25.2 39.713,33.056 39.931,33.275 v1(39.931,33.348)
  Top Layer w2: v1(22.098,45.593) 28.448,45.593 32.512,49.657 32.512,56.74 31.34,57.912 C20.1 26.924,57.912
  Bottom Layer w1: v1(10.033,59.69) 17.78,59.69 18.161,60.071 ; v1(17.018,33.401) 17.018,34.925 ; v1(28.448,33.274) v1@28.522,33.348 ; v1@34.29,33.274 v1(34.417,33.147)
  Bottom Layer w2: C19.2@18.161,67.564 18.161,60.071 18.161,49.53 v1(22.098,45.593) ; 22.098,46.482 17.145,41.529 17.145,36.068 19.865,33.348 28.522,33.348 v1@34.29,33.348 ; v1@34.417,33.348 v1(39.931,33.348)
  other v3: 23.876,45.72 21.717,47.752 23.622,47.879
VCCOUT: C4.1 D1.2 D2.2 D3.2 D4.2 D5.2 D6.2 U2.4 U3.4 U4.4 U10.4 U.4 | length 89.5
  Top Layer w1: v1(46.99,15.875) v1@47.117,15.875 ; C4.1 46.99,15.478 45.759,15.478 45.235,16.002 45.085,16.002 45.085,25.146 46.863,26.924 53.213,26.924 ; U.4 53.086,26.797 53.213,26.924 ; U2.4 60.579,26.289 61.214,26.924 ; U3.4 67.691,26.289 68.326,26.924 ; U4.4@74.549,25.027 74.549,26.49 74.983,26.924 ; U10.4@81.788,25.027 81.788,26.775 81.639,26.924 74.983,26.924 ; 53.213,26.924 61.214,26.924 ; 61.214,26.924 68.326,26.924 ; 68.326,26.924 74.549,26.924 74.983,26.924
  Bottom Layer w1: v1(46.99,15.875) 47.371,15.494 D3.2 D5.2
pads on no net: J1.16 J1.17 OP1.3 OP1.6 U1.4
copper on no net:
  other v2: 2.365,2.31 87.074,2.31 2.492,82.32 87.376,82.55

## Polygon pours and split planes (outlines as drawn)
GNDOUT on Bottom Layer "GNDOUT_L02_P005" (solid, remove dead copper, pour order 5): 43.942,6.096 81.026,6.096 83.312,8.382 83.312,26.67 82.55,27.432 45.466,27.432 43.688,25.654 43.688,23.876
PGND on Bottom Layer "PGND_L02_P004" (solid, remove dead copper, pour order 4): 60.381,44.211 60.508,44.084 79.939,44.084 79.939,77.104 78.542,78.501 63.556,78.501 61.778,76.723 61.778,69.865 57.813,65.9 57.813,63.36 53.65,59.197 53.65,47.513 56.825,44.338 60.635,44.338
GND on Bottom Layer "GND_L02_P003" (solid, remove dead copper, pour order 3): 13.208,22.098 13.335,22.225 40.767,22.225 41.783,23.241 41.783,26.162 44.196,28.575 81.661,28.575 82.804,29.718 82.804,42.037 81.661,43.18 55.372,43.18 51.689,46.863 51.816,46.99 51.816,60.833 55.626,64.643 55.626,78.74 53.721,80.645 12.573,80.645 6.223,74.295 6.223,22.987 7.112,22.098
GNDOUT on Top Layer "GNDOUT_L01_P002" (solid, remove dead copper, pour order 2): 43.815,5.969 80.899,5.969 83.185,8.255 83.185,26.543 82.423,27.305 45.339,27.305 43.561,25.527 43.561,23.749
PGND on Top Layer "PGND_L01_P001" (solid, remove dead copper, pour order 1): 60.579,44.323 60.706,44.196 80.137,44.196 80.137,77.216 78.74,78.613 63.754,78.613 61.976,76.835 61.976,69.977 58.011,66.012 58.011,63.472 53.848,59.309 53.848,47.625 57.023,44.45 60.833,44.45
GND on Top Layer "GND_L01_P000" (solid, remove dead copper, pour order 0): 13.462,21.844 13.589,21.971 41.021,21.971 42.037,22.987 42.037,25.908 44.45,28.321 81.915,28.321 83.058,29.464 83.058,41.783 81.915,42.926 55.626,42.926 51.943,46.609 52.07,46.736 52.07,60.579 55.88,64.389 55.88,78.486 53.975,80.391 12.827,80.391 6.477,74.041 6.477,22.733 7.366,21.844

## Other copper
Top Layer:
  region net VCC: 24.511,44.45 24.511,48.514 24.511,48.768 20.828,48.768 20.828,44.45
  region net GNDOUT: 51.312,17.898 51.312,20.946 48.899,20.946 48.899,17.898
  region net GNDOUT: 58.678,17.898 58.678,20.946 56.265,20.946 56.265,17.898
  region net GNDOUT: 66.298,17.644 66.298,20.692 63.885,20.692 63.885,17.644
  region net GNDOUT: 72.902,17.898 72.902,20.946 70.489,20.946 70.489,17.898
  region net GNDOUT: 80.268,17.898 80.268,20.946 77.855,20.946 77.855,17.898
  region: 78.168,21.463 78.168,24.511 75.755,24.511 75.756,21.463
  region net NetP43_1: 15.367,14.605 15.367,16.637 13.081,16.637 12.954,16.51 12.954,14.732 13.081,14.605
  region net NetP44_1: 20.955,14.478 20.955,16.51 18.669,16.51 18.542,16.383 18.542,14.605 18.669,14.478
  region net NetP45_1: 26.797,14.478 26.797,16.51 24.511,16.51 24.384,16.383 24.384,14.605 24.511,14.478
  region net NetP46_1: 32.766,14.351 32.766,16.383 30.48,16.383 30.353,16.256 30.353,14.478 30.48,14.351
  region net NetP47_1: 38.227,14.478 38.227,16.51 35.941,16.51 35.814,16.383 35.814,14.605 35.941,14.478
  region net NetR24_2: 37.846,17.653 37.846,19.685 35.56,19.685 35.433,19.558 35.433,17.78 35.56,17.653
  region net NetR21_2: 32.385,17.78 32.385,19.812 30.099,19.812 29.972,19.685 29.972,17.907 30.099,17.78
  region net NetR18_2: 26.543,17.653 26.543,19.685 24.257,19.685 24.13,19.558 24.13,17.78 24.257,17.653
  region net NetR15_2: 20.701,17.907 20.701,19.939 18.415,19.939 18.288,19.812 18.288,18.034 18.415,17.907
  region net NetR12_2: 14.605,17.78 14.605,19.812 12.319,19.812 12.192,19.685 12.192,17.907 12.319,17.78
Bottom Layer:
  region net VCC: 24.511,44.45 24.511,48.514 24.511,48.768 20.828,48.768 20.828,44.45
  region net GNDOUT: 51.183,17.973 51.183,21.021 48.77,21.021 48.77,17.973
  region net GNDOUT: 58.549,17.846 58.549,20.894 56.136,20.894 56.136,17.846
  region net GNDOUT: 66.296,17.719 66.296,20.767 63.883,20.767 63.883,17.719
  region net GNDOUT: 72.9,17.846 72.9,20.894 70.487,20.894 70.487,17.846
  region net GNDOUT: 80.266,17.846 80.266,20.894 77.853,20.894 77.853,17.846
  region net NetP47_1: 38.227,14.478 38.227,16.51 35.941,16.51 35.814,16.383 35.814,14.605 35.941,14.478
  region net NetP46_1: 32.766,14.351 32.766,16.383 30.48,16.383 30.353,16.256 30.353,14.478 30.48,14.351
  region net NetP45_1: 26.797,14.478 26.797,16.51 24.511,16.51 24.384,16.383 24.384,14.605 24.511,14.478
  region net NetP44_1: 20.955,14.478 20.955,16.51 18.669,16.51 18.542,16.383 18.542,14.605 18.669,14.478
  region net NetP43_1: 15.367,14.605 15.367,16.637 13.081,16.637 12.954,16.51 12.954,14.732 13.081,14.605
  region: 10.414,16.891 10.414,18.923 8.128,18.923 8.001,18.796 8.001,17.018 8.128,16.891
  region net NetR12_2: 14.419,17.829 14.419,19.861 12.133,19.861 12.006,19.734 12.006,17.956 12.133,17.829
  region net NetR15_2: 20.642,17.956 20.642,19.988 18.356,19.988 18.229,19.861 18.229,18.083 18.356,17.956
  region net NetR24_2: 37.787,17.702 37.787,19.734 35.501,19.734 35.374,19.607 35.374,17.829 35.501,17.702
  region net NetR21_2: 32.326,17.829 32.326,19.861 30.04,19.861 29.913,19.734 29.913,17.956 30.04,17.829
  region net NetR18_2: 26.543,17.653 26.543,19.685 24.257,19.685 24.13,19.558 24.13,17.78 24.257,17.653

## Silkscreen, mask and mechanical layers (free items; w line width, h text height)
Top Overlay:
  text "OUT|GND|24V" at 83.566,70.104 h2 r180
  text "A1|A0" at 32.639,68.199 h2 r180
  text "VCC| GND" at 34.307,65.112 h2 r180
  text "P17" at 45.593,58.293 h2 r90
  text "P43" at 17.188,34.993 h2 r90
  text "P44" at 22.903,34.993 h2 r90
  text "P45" at 28.364,34.993 h2 r90
  text "P46" at 34.206,34.993 h2 r90
  text "P47" at 39.286,34.993 h2 r90
  text "P18" at 49.57,25.575 h2 r90
  text "P19" at 56.809,25.575 h2 r90
  text "P20" at 64.048,25.575 h2 r90
  text "P21" at 71.033,25.575 h2 r90
  text "P22" at 78.272,25.575 h2 r90
  text "24V" at 46.178,20.213 h2 r90
  text "GND" at 48.845,20.213 h2 r90
  text "24V" at 13.589,11.811 h2 r90
Mechanical 1:
  the board outline again, w0.305

## Text inside footprints (layer, text, board x,y; h text height)
J1: Top Overlay "1" at 56.436,78.915 h1.5 r90